# KiCad board Bellbot.kicad_pcb (continued)
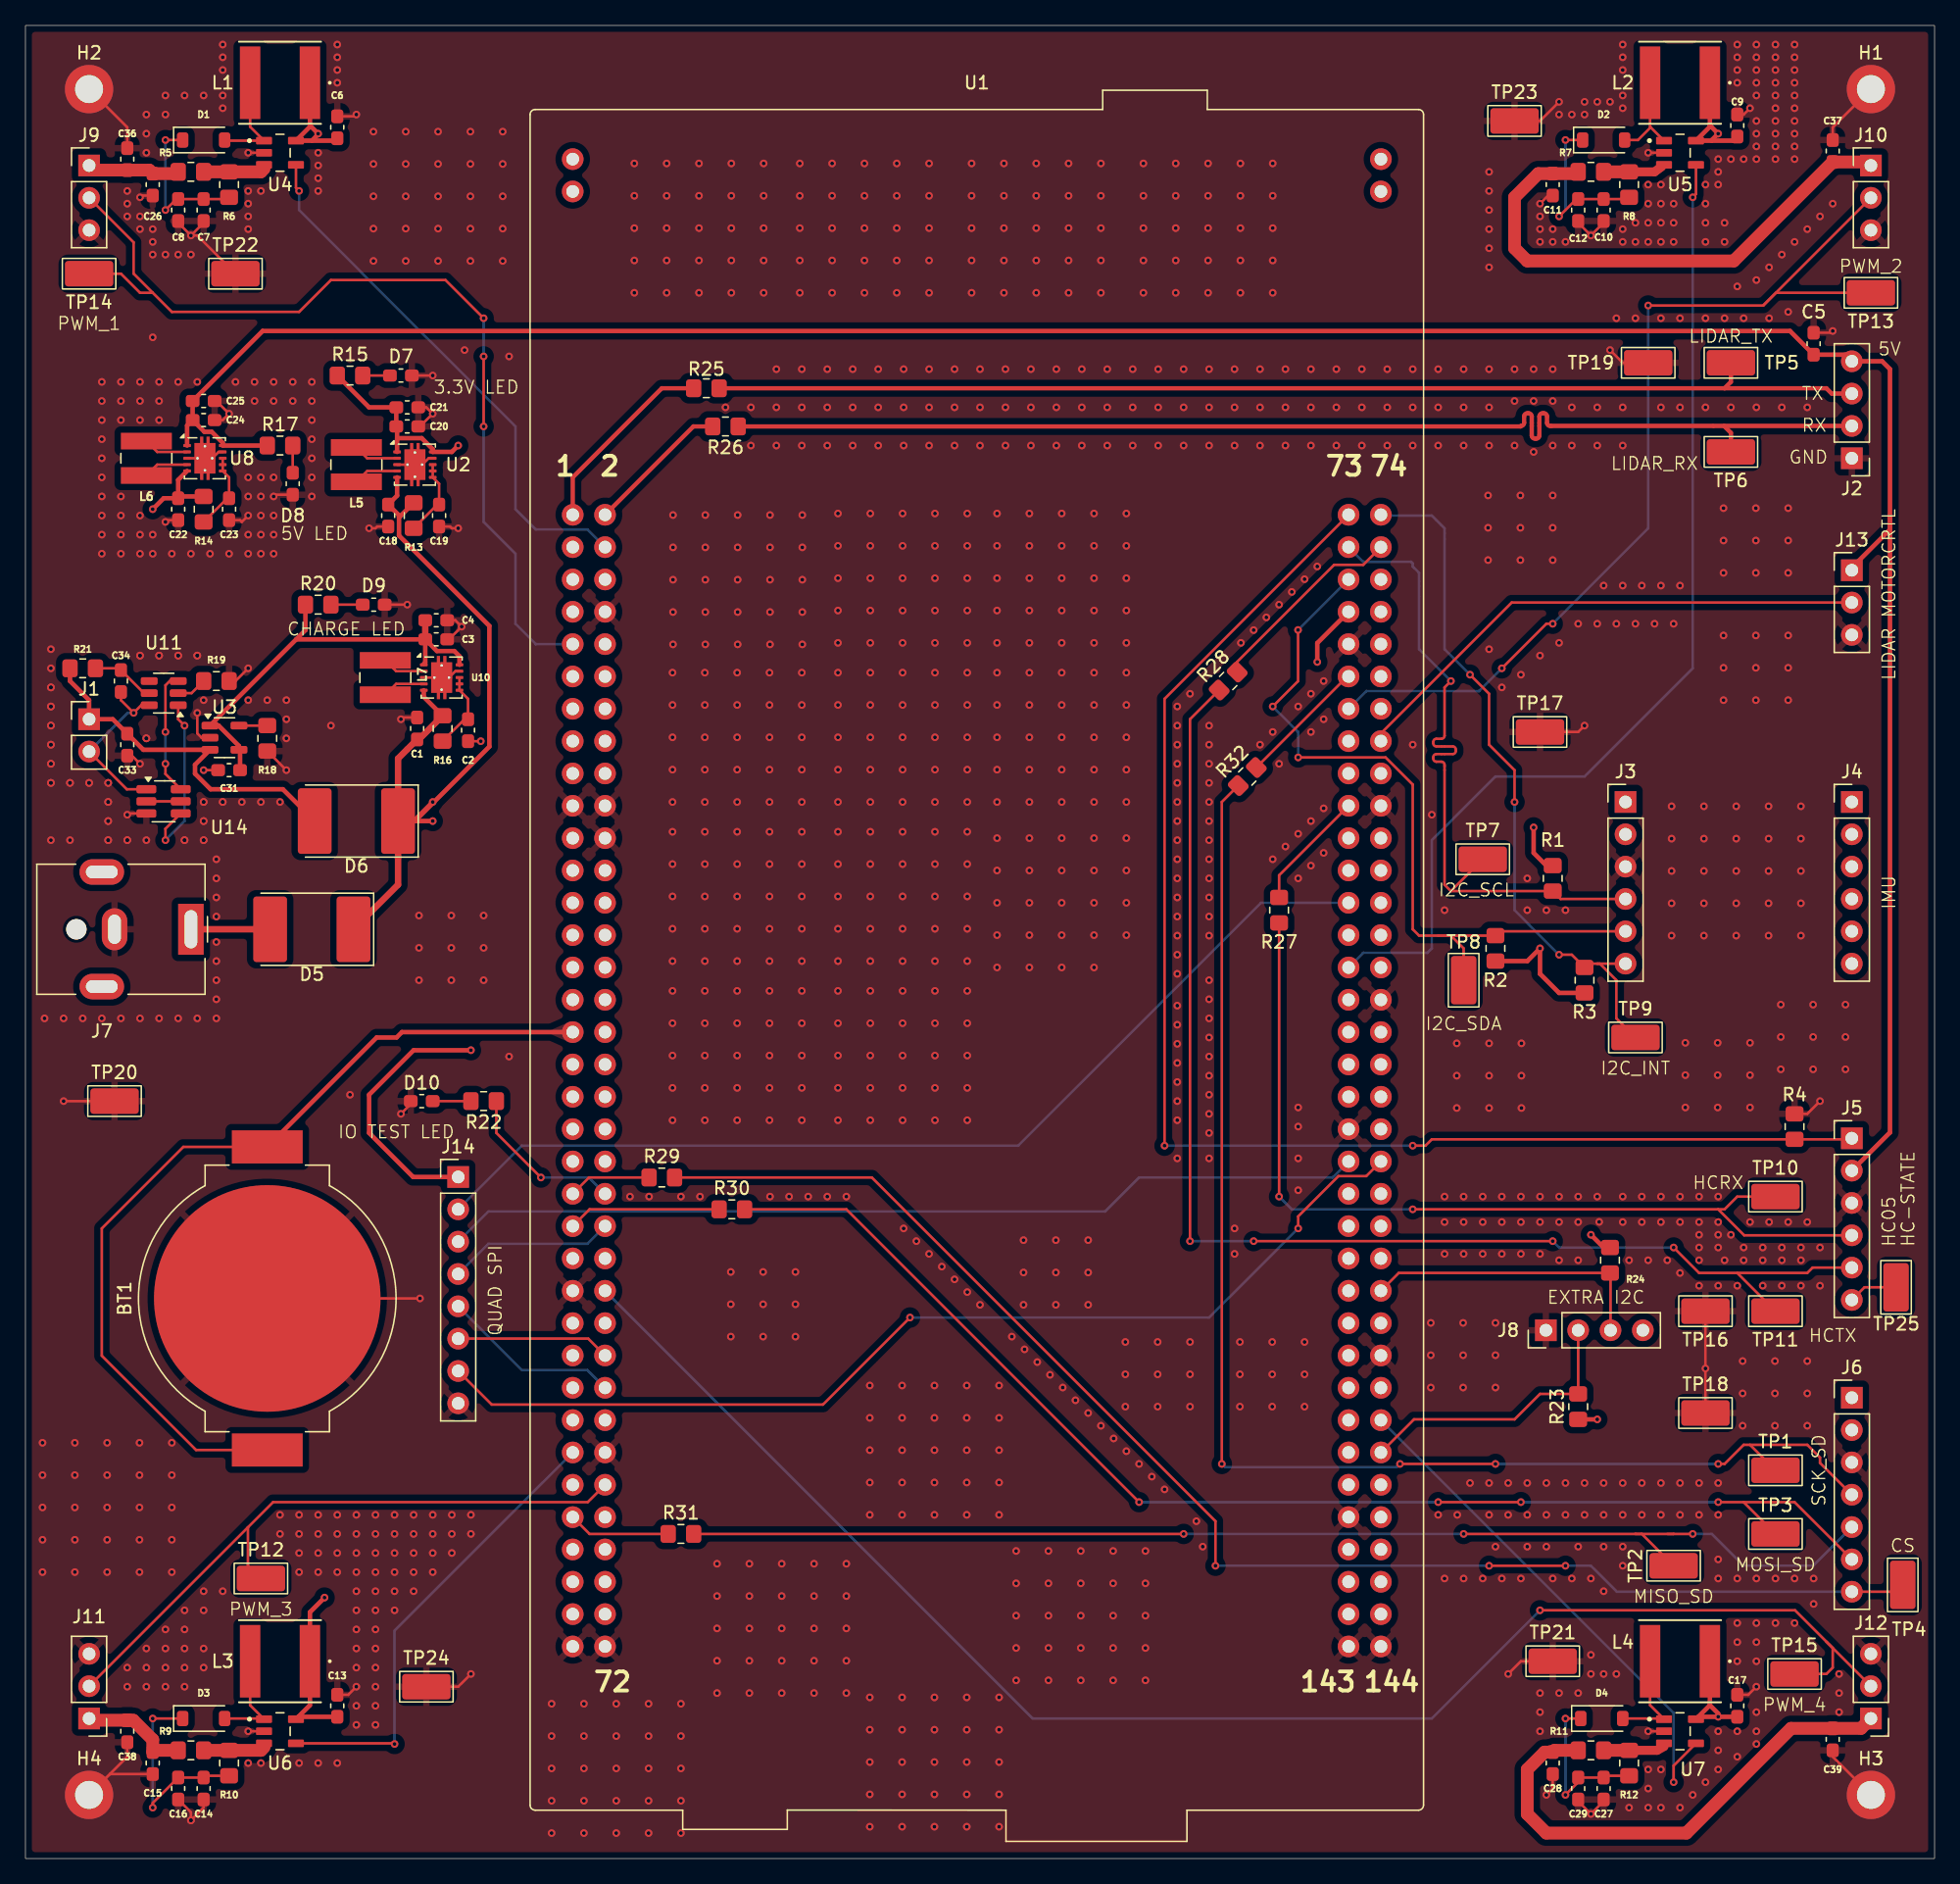
[diagram p0: board, top side]
## Routing (per net, layer and track width the routed paths; a pad name or vN(x,y) marks a point on that pad's centre or on a via; arc(x,y) is an arc through that point) (continued)
I2C_SCL: length 55
  Top w0.2: 112,76 TP7.1 ; 112,76 R1.2 120.62,75.38 J3.4 ; 112,76 111.5,76.5 111.5,85.92 arc(111.43,86.09) 111.26,86.16 110.85,86.16 arc(110.68,86.23) 110.61,86.4 110.61,86.52 arc(110.68,86.69) 110.85,86.76 112.15,86.76 arc(112.32,86.83) 112.39,87 112.39,87.12 arc(112.32,87.29) 112.15,87.36 110.85,87.36 arc(110.68,87.43) 110.61,87.6 110.61,87.72 arc(110.68,87.89) 110.85,87.96 111.26,87.96 arc(111.43,88.03) 111.5,88.2 111.5,92 v1(112,92.5)
  Bottom w0.2: U1.75 105.11,101.87 108.87,101.87 109,101.74 109,101.5 109.5,101 109.5,95 v1(112,92.5)
I2C_SDA: length 60.5
  Top w0.2: TP8.1 113,71.5 112,72.5 111,72.5 ; v1(100,86.5) 106.87,86.5 109,84.37 109,73 109.5,72.5 111,72.5 ; 111,72.5 R2.2 115.84,72.84 J3.5 ; v1(99.99,96.51) 99.99,92.49 v1(98,90.5)
  Bottom w0.2: v1(98,90.5) 100,88.5 v1(100,86.5) ; v1(99.99,96.51) U1.77
MISO_SD: length 105.9
  Top w0.2: U1.63 44.32,25.5 R31.1 ; TP2.1 127,25.5 126.5,25.5 ; v1(113,25.5) 126.5,25.5 ; 126.5,25.5 129.5,25.5 ; 129.5,25.5 v1(131,25.5) ; 129.5,25.5 129,25.5 ; R31.2 v1(91,25.5)
  Bottom w0.2: v1(91,25.5) v1(113,25.5) ; v1(131,25.5) 132.5,25.5 135,23 140.46,23 J6.5
MOSI_SD: length 114
  Top w0.2: R30.2 64.5,51 v1(87.5,28) ; R30.1 44.32,51 U1.45 ; 135,28 139,28 J6.6 ; 135,28 v1(133,28) ; 135,28 TP3.1 ; v1(111,28) v1(117.5,28)
  Bottom w0.2: v1(117.5,28) v1(133,28) ; v1(87.5,28) v1(111,28)
MOTOR_EN_LIDAR: length 41.7
  Top w0.2: 143.29,98.67 116.78,98.67 106.5,88.39 U1.88
QUADSPI_CLK: length 82.1
  Top w0.2: J14.7 36.64,35.66 62.66,35.66 v1(69.5,42.5) ; v1(100,49.5) 100,50.44 103.17,53.61 105.35,53.61 U1.114
  Bottom w0.2: v1(69.5,42.5) 93,42.5 v1(100,49.5)
QUADSPI_IO0: length 12.1
  Top w0.2: U1.54 44.22,40.84 J14.6
QUADSPI_IO1: length 14.2
  Bottom w0.2: J14.5 39.01,38.37 44.15,38.37 U1.56
QUADSPI_IO2: length 13.1
  Bottom w0.2: U1.46 44.15,48.29 36.37,48.29 J14.4
QUADSPI_IO3: length 72.6
  Bottom w0.2: J14.3 36.37,50.83 84.83,50.83 87.5,53.5 102.7,53.5 U1.113
QUADSPI_NCS: length 79.9
  Bottom w0.2: J14.2 39,56 78,56 97.08,75.08 U1.97
SCK_SD: length 119.1
  Top w0.2: v1(108,31) v1(115.5,31) ; U1.83 103.86,92.86 R32.2 ; v1(94,31) 94,83 R32.1 ; 135.5,32.5 TP1.1 ; 135.5,32.5 135,32.5 133.5,31 v1(133,31) ; 135.5,32.5 140,32.5 141,31.5 141,31.08 J6.4
  Bottom w0.2: v1(115.5,31) v1(133,31) ; v1(108,31) 107.75,30.75 94.25,30.75 v1(94,31)
Net-(D1-A): length 8.1
  Top w0.2: D1.2 15.7,134.95 U4.1 17.65,136.04 L1.2
Net-(D1-K): length 12.3
  Top w0.2: R6.2 15.5,130.5 15.36,130.36 C7.1 C8.1 11.86,130.36 v1(11,129.5) ; v1(11,135) D1.1
  Bottom w0.2: v1(11,129.5) v1(11,135)
Net-(D2-A): length 7.5
  Top w0.2: 127.69,136 127.65,136.04 L2.2 ; 127.69,136 U5.1 ; 127.69,136 126.69,135 D2.2
Net-(D2-K): length 13.7
  Top w0.2: R8.2 125.86,130.36 C10.1 C12.1 121.86,130.36 v1(120.5,129) ; D2.1 v1(121,135)
  Bottom w0.2: v1(121,135) 121,129.5 v1(120.5,129)
Net-(D3-A): length 8.1
  Top w0.2: L3.2 17.65,12.04 U6.1 18.69,11 D3.2
Net-(D3-K): length 16.6
  Top w0.2: v1(10,4) 10,4.36 C16.1 C14.1 14.14,6.5 R10.2 ; v1(10,11) D3.1
  Bottom w0.2: v1(10,4) v1(10,11)
Net-(D4-A): length 8.3
  Top w0.2: L4.2 127.65,12.04 U7.1 128.69,11 D4.2
Net-(D4-K): length 13
  Top w0.2: v1(121,5) 122,6 C29.1 C27.1 124.14,6.5 R12.2 ; v1(121,11) D4.1
  Bottom w0.2: v1(121,5) v1(121,11)
Net-(D5-A): length 6.2
  Top w0.5: D5.2 J7.1
Net-(D7-A): length 2.1
  Top w0.2: R15.2 D7.2
Net-(D8-A): length 2.1
  Top w0.2: R17.2 D8.2
Net-(D9-A): length 2.5
  Top w0.2: R20.2 D9.2
Net-(D10-A): length 3
  Top w0.2: D10.2 R22.2
Net-(J5-Pin_6): length 3.9
  Top w0.2: TP25.1 144.5,44.88 J5.6
Net-(U1-PG3): length 13
  Top w0.2: v1(40.5,53.5) 37,57 R22.1
  Bottom w0.2: U1.44 44.26,53.5 v1(40.5,53.5)
Net-(U2-EN): length 6.1
  Top w0.2: R13.2 32.36,106.36 C19.1 32.5,108 U2.6 U2.7 U2.8
Net-(U2-L1): length 3.6
  Top w0.2: U2.4 26.85,109 L5.2
Net-(U2-L2): length 3.6
  Top w0.2: L5.1 26.85,110 U2.2
Net-(U3-PROG): length 2.2
  Top w0.2: R18.1 U3.5
Net-(U4-FB): length 5.2
  Top w0.2: U4.3 18.75,132.75
  Top w1: R5.2 R6.1 18.5,132.5 18.75,132.75
Net-(U5-FB): length 4.7
  Top w0.7: R8.1 128,132.5 128.55,132.9
  Top w1: R8.1 R7.2
Net-(U6-FB): length 5.2
  Top w0.2: U6.3 18.75,8.75
  Top w1: R9.2 R10.1 18.5,8.5 18.75,8.75
Net-(U7-FB): length 4.8
  Top w0.7: R12.1 128.19,8.5 128.75,8.8
  Top w1: R12.1 R11.2
Net-(U8-EN): length 6.1
  Top w0.2: R14.2 15.86,106.86 C23.1 16,108.5 U8.6 U8.7 U8.8
Net-(U8-L1): length 3.6
  Top w0.2: U8.4 10.35,109.5 L6.2
Net-(U8-L2): length 3.6
  Top w0.2: U8.2 10.35,110.5 L6.1
Net-(U10-EN): length 6.3
  Top w0.2: R16.2 34.5,89.5 C2.1 34.78,91.1 U10.6 U10.7 U10.8
Net-(U10-L1): length 3.4
  Top w0.2: U10.4 29.12,92.28 28.28,91.42
Net-(U10-L2): length 3.4
  Top w0.2: U10.2 29.12,93.28 L7.1
Net-(U11-CS): length 2.4
  Top w0.2: R19.1 13.05,91.55 U11.2
Net-(U11-VCC): length 5
  Top w0.2: R21.2 7.36,93.5 C34.1 9.31,91.55 U11.5
Net-(U14-D-Pad2): length 2.7
  Top w0.2: U14.2 U14.5

## Copper pours and planes (outline as drawn; the poured copper is in the pictures)
+3.3V on In2.Cu: 132,70 147,68.5 147,34.5 131.85,34.63
+3.3V on In2.Cu: 113.5,73.5 133.25,74.06 132.75,32.5 112.5,32.5
+3.3V on In2.Cu: 52,95 145,95 145.3,66.71 60.67,85.57 52,85.5
+3.3V on In2.Cu: 39,89 32.5,62.5 38.5,62.5 41,88.5
+3.3V on In2.Cu: 24.5,122 55.5,122.5 55,85.5 39,85.5 35.5,102 24.5,102.5
+5VD on In2.Cu: 150,144 150,0 0,0 0,144
GND on Top: 0,144 150,144 150,0 0,0
GND on Bottom: 0,144 150,144 150,0 0,0
GND on In1.Cu: 0,144 150,144 150,0 0,0

Small or netless copper shapes (teardrops, artwork), in the pictures only: 3 on Top

## Text on the board
B.Silkscreen: TX | RX | Bellbot v1 / Designed by George Evanisko
F.Silkscreen: 5V LED | CHARGE LED | IO TEST LED | 3.3V LED | EXTRA I2C | GND | TX | RX | 5V | PWM_1 | PWM_3 | I2C_SDA | I2C_SCL | I2C_INT | LIDAR_RX | MISO_SD | HCRX | LIDAR_TX | MOSI_SD | PWM_4 | HCTX | PWM_2 | CS | QUAD SPI | LIDAR MOTORCRTL | IMU | HC05 | HC-STATE | SCK_SD | 1 | 72 | 2 | 143 | 73 | 144 | 74
